# Altium PCB Waffling60-SE.PcbDoc (part 2 of 3)
Units mm, origin at the board's own origin, x right, y up, seen from the top; angles counter-clockwise.
Board outline 284.7 x 96.45 mm, 2 copper layers (Component Side, Bottom Layer), stack 1.571 mm thick; 192 components, 133 nets, 916 pads, 201 vias.
Unrouted connection lines stored in the file: 1.
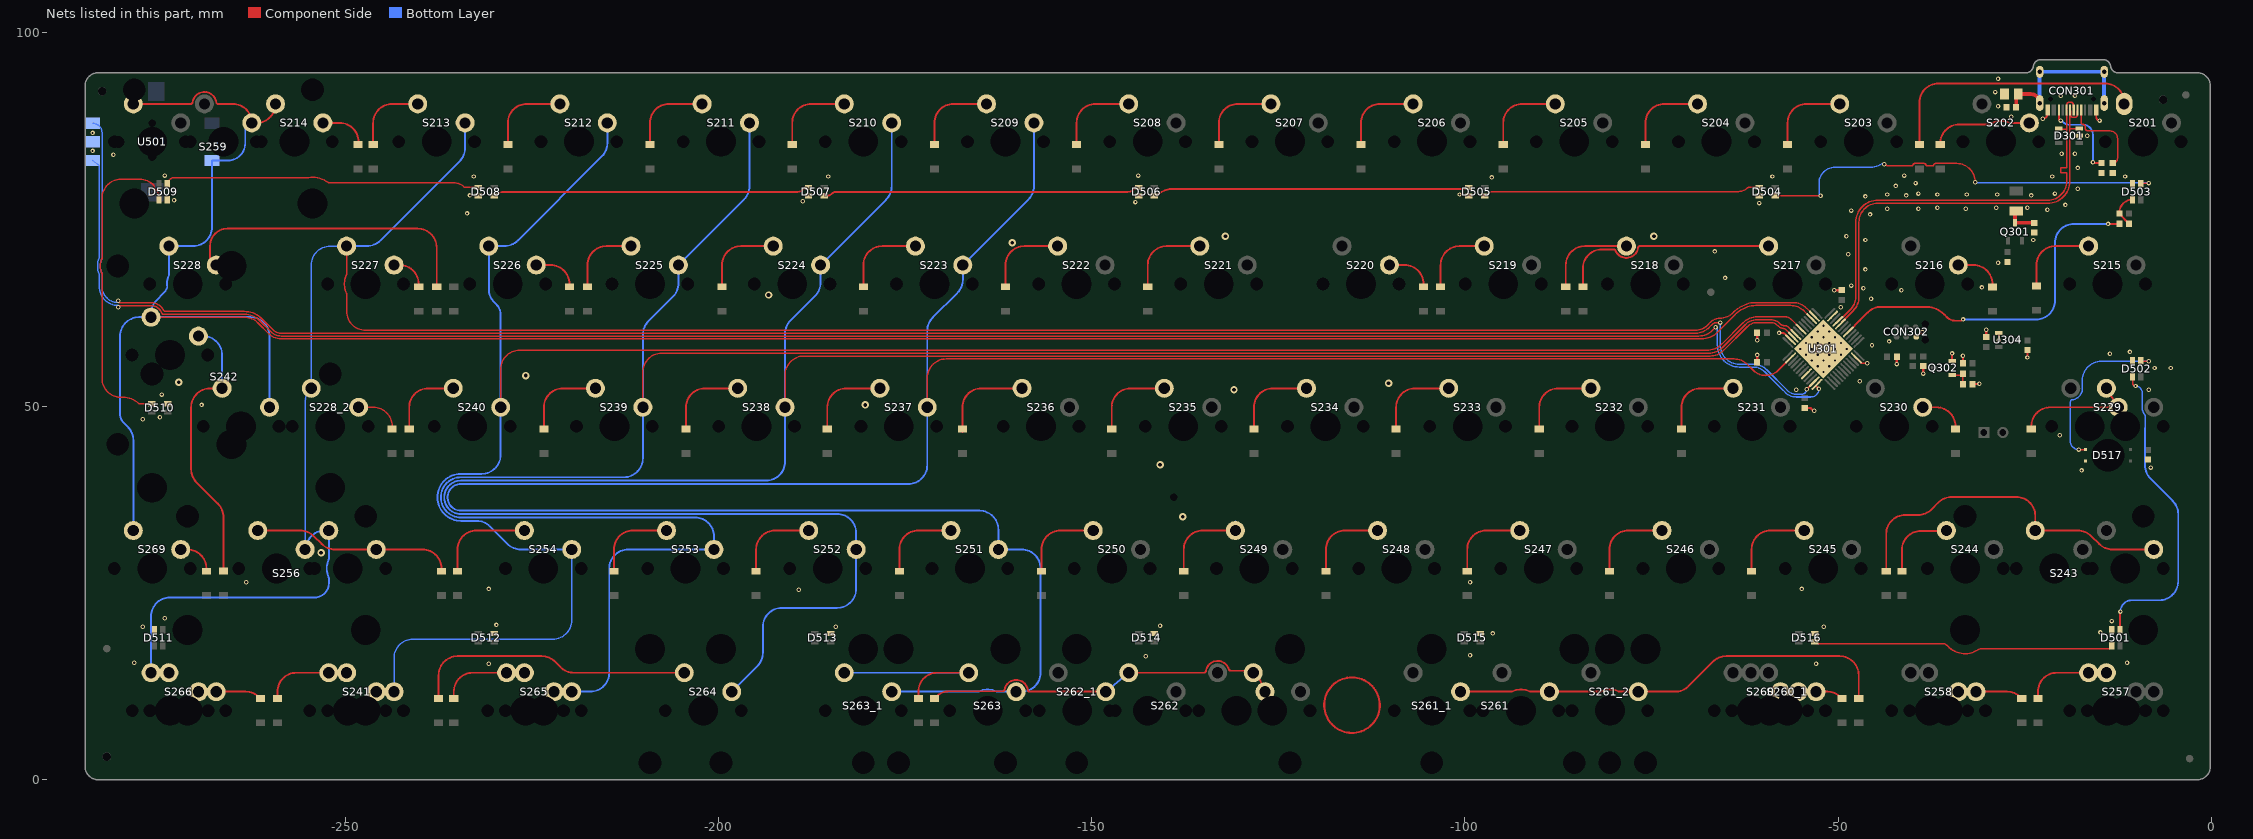
[diagram p2: the nets of this part, all layers, seen from the top]

## Via types
v1: diameter 0.6, hole 0.3, Component Side to Bottom Layer, tented both sides, 159 vias
v2: diameter 0.6, hole 0.3, Component Side to Bottom Layer, tented bottom, 25 vias
v3: diameter 1, hole 0.5, Component Side to Bottom Layer, tented both sides, 15 vias
v4: diameter 1, hole 0.6, Component Side to Bottom Layer, tented both sides, 2 vias

## Nets (pads, with @x,y where several pads share a name; then routed paths per layer and width w, separated by ;. In a path a pad name is that pad's centre, name@x,y a point inside that pad or via, vN(x,y) a via of type N, cw(c..) or ccw(c..) an arc to the next point about the centre after c; other vN are vias at no path point) (continued)
col9: S209.2 S223.2 S237.2 S251.2 S263.1 S263_1.1 U301.2 | length 365.6
  Component Side w0.203: S237.2@-172.027,49.855 -172.027,53.722 ; -169.901,56.333 ccw(c-169.361,53.722) -170.779,55.98 ccw(c-169.361,53.722) -172.027,53.722 ; -61.366,54.805 -62.15,55.589 ccw(c-63.946,53.793) -63.946,56.333 -169.487,56.333 ccw(c-169.487,53.793) -170.779,55.98 ccw(c-169.487,53.793) -172.027,53.793 -172.027,53.722 ; -61.365,54.804 ccw(c-59.696,56.475) -59.696,54.113 ccw(c-59.696,56.475) -58.027,54.804 ; -58.026,54.805 U301.2@-56.549,56.283
  Bottom Layer w0.254: S263_1.1@-176.789,11.755 -165.225,11.755 ccw(c-165.226,12.009) -165.12,11.778 cw(c-163.931,9.215) -162.741,11.778 ccw(c-162.635,12.009) -162.636,11.755 S263.1@-160.121,11.755 -159.385,11.755 ccw(c-159.385,14.295) -156.845,14.295 -156.845,28.265 ccw(c-159.385,28.265) -159.385,30.805 S251.2@-162.502,30.805 -162.502,33.464 ccw(c-165.042,33.464) -165.042,36.004 -234.5,36.004 cw(c-234.5,37.79) -234.5,39.576 -174.567,39.576 ccw(c-174.567,42.116) -172.027,42.116 S237.2@-172.027,49.855 -172.027,60.092 cw(c-169.487,60.092) -171.284,61.888 -168.009,65.163 ccw(c-169.805,66.959) -167.265,66.959 S223.2@-167.265,68.905 -158.484,77.686 ccw(c-160.28,79.482) -157.74,79.482 S209.2@-157.74,87.955
col10: S210.2 S224.2 S238.2 S252.2 S264.2 U301.46 | length 334.4
  Component Side w0.203: S238.2@-191.077,49.855 -191.077,54.176 cw(c-188.537,54.176) -188.537,56.716 -67.162,56.716 ccw(c-67.162,59.256) -65.366,57.46 -62.188,60.637 ; -62.188,60.638 cw(c-60.833,59.282) -60.833,61.199 -59.051,61.199 cw(c-59.051,59.867) -58.109,60.809 cw(c-59.051,59.867) -58.105,60.805 ccw(c-57.169,61.747) -57.852,60.608 cw(c-57.957,60.434) -57.839,60.599 ccw(c-57.277,61.383) -57.517,60.449 cw(c-57.569,60.252) -57.452,60.419 cw(c-57.452,59.773) -56.996,60.23 U301.46@-56.195,59.429
  Bottom Layer w0.254: S264.2@-197.231,11.755 S264.2@-198.221,11.755 -194.8,15.176 ccw(c-196.596,16.972) -194.056,16.972 -194.056,20.447 cw(c-191.516,20.447) -191.516,22.987 -184.092,22.987 ccw(c-184.092,25.527) -181.552,25.527 S252.2@-181.552,30.805 -181.552,33.01 ccw(c-184.092,33.01) -184.092,35.55 -234.5,35.55 cw(c-234.5,37.79) -234.5,40.03 -193.617,40.03 ccw(c-193.617,42.57) -191.077,42.57 S238.2@-191.077,49.855 -191.077,59.711 cw(c-188.537,59.711) -190.334,61.507 -187.059,64.782 ccw(c-188.855,66.578) -186.315,66.578 S224.2@-186.315,68.905 -177.534,77.686 ccw(c-179.33,79.482) -176.79,79.482 S210.2@-176.79,87.955
col11: S211.2 S225.2 S239.2 S253.2 S265.1 U301.45 | length 320.5
  Component Side w0.203: S239.2@-210.127,49.855 -210.127,54.559 cw(c-207.587,54.559) -209.827,55.758 cw(c-207.587,54.559) -207.587,57.099 -187.325,57.099 -69.342,57.099 -67.32,57.099 ccw(c-67.32,59.639) -65.524,57.843 -62.461,60.907 cw(c-60.833,59.282) -62.457,60.91 cw(c-60.833,59.282) -60.833,61.582 -59.051,61.582 cw(c-59.051,59.867) -57.839,61.081 cw(c-59.051,59.867) -57.837,61.079 ccw(c-57.169,61.747) -57.644,60.93 cw(c-57.746,60.754) -57.625,60.917 ccw(c-57.277,61.383) -57.277,60.802 ccw(c-57.277,61.383) -57.24,60.803 cw(c-57.228,60.6) -57.218,60.803 ccw(c-57.169,61.747) -57.169,60.802 cw(c-57.169,60.058) -56.643,60.584 U301.45@-55.841,59.783
  Bottom Layer w0.254: S265.1@-219.652,11.755 -217.17,11.755 ccw(c-217.17,14.295) -214.63,14.295 -214.63,28.265 cw(c-212.09,28.265) -212.09,30.805 S253.2@-200.602,30.805 -200.602,32.556 ccw(c-203.142,32.556) -203.142,35.096 -234.5,35.096 cw(c-234.5,37.79) -234.5,40.484 -212.667,40.484 ccw(c-212.667,43.024) -210.127,43.024 S239.2@-210.127,49.855 -210.127,59.584 cw(c-207.587,59.584) -209.384,61.38 -206.109,64.655 ccw(c-207.905,66.451) -205.365,66.451 S225.2@-205.365,68.905 -196.584,77.686 ccw(c-198.38,79.482) -195.84,79.482 S211.2@-195.84,87.955
col12: S212.2 S226.2 S240.2 S241.1 S254.2 U301.43 | length 309.4
  Component Side w0.203: S240.2@-229.177,49.855 -229.177,54.942 cw(c-226.637,54.942) -228.503,56.666 cw(c-226.637,54.942) -226.637,57.482 -188.087,57.482 -69.596,57.482 -67.638,57.482 ccw(c-67.638,60.406) -65.572,58.337 ccw(c-67.638,60.406) -65.57,58.34 -62.733,61.177 cw(c-60.833,59.282) -62.727,61.182 cw(c-60.833,59.282) -60.833,61.965 -57.118,61.965 cw(c-57.118,60.738) -56.25,61.606 U301.43@-55.134,60.49
  Bottom Layer w0.203: S241.1@-243.464,11.755 -243.464,16.256 cw(c-240.924,16.256) -240.924,18.796 -222.192,18.796 ccw(c-222.192,21.336) -219.652,21.336 S254.2@-219.652,30.805
  Bottom Layer w0.254: S254.2@-219.652,30.805 -226.476,30.805 cw(c-226.476,33.345) -228.272,31.549 -230.621,33.898 ccw(c-232.417,32.102) -232.417,34.642 -234.5,34.642 cw(c-234.5,37.79) -234.5,40.938 -231.717,40.938 ccw(c-231.717,43.478) -229.177,43.478 S240.2@-229.177,49.855 -229.177,62.262 ccw(c-231.108,62.262) -229.743,63.627 -230.021,63.905 cw(c-228.225,65.701) -230.765,65.701 S226.2@-230.765,71.445 -228.692,71.445 ccw(c-228.692,73.985) -226.896,72.189 -215.634,83.451 ccw(c-217.43,85.247) -214.89,85.247 S212.2@-214.89,87.955
col13: S213.2 S227.2 S228_2.2 S256.2 S266.2 U301.38 | length 324.4
  Component Side w0.203: S227.2@-249.815,71.445 -249.815,67.674 cw(c-250.018,67.675) -249.834,67.588 ccw(c-247.275,66.365) -250.049,66.956 ccw(c-247.275,66.365) -250.049,65.774 ccw(c-247.275,66.365) -249.829,65.13 cw(c-250.012,65.043) -249.809,65.044 -249.809,62.705 ccw(c-247.269,62.705) -247.269,60.165 -69.121,60.165 ccw(c-69.121,62.39) -67.548,60.816 -67.103,61.261 cw(c-65.847,60.005) -65.847,61.782 ccw(c-65.847,64.25) -64.263,62.357 ccw(c-64.395,62.512) -64.252,62.367 -64.076,62.543 ; -63.875,62.731 ccw(c-60.833,59.282) -64.076,62.543 ; U301.38@-53.367,62.258 -54.246,63.137 ccw(c-56.042,61.341) -56.042,63.881 -61.057,63.881 ccw(c-61.057,60.191) -62.864,63.409 cw(c-62.962,63.586) -62.871,63.405 ccw(c-60.833,59.282) -64.076,62.543
  Component Side w0.254: S227.2@-249.815,71.445 cw(c-249.815,71.058) S227.2@-249.428,71.058
  Bottom Layer w0.203: S256.2@-255.37,30.805 -255.37,50.525 cw(c-252.83,50.525) -254.626,52.321 S228_2.2@-254.552,52.395 -254.552,68.905 cw(c-252.012,68.905) -252.012,71.445 S227.2@-249.815,71.445
  Bottom Layer w0.254: S266.2@-276.008,14.295 -276.008,21.844 cw(c-273.468,21.844) -273.468,24.384 -254.1,24.384 ccw(c-254.1,26.289) -252.195,26.289 -252.195,26.968 ccw(c-252.449,26.969) -252.219,27.076 cw(c-249.655,28.265) -252.219,29.454 ccw(c-252.449,29.561) -252.195,29.562 S256.2@-252.195,33.345 -252.73,33.345 ccw(c-252.73,30.805) S256.2@-255.27,30.805 ; S227.2@-249.815,71.445 -247.107,71.445 ccw(c-247.107,73.985) -245.311,72.189 -234.684,82.816 ccw(c-236.48,84.612) -233.94,84.612 S213.2@-233.94,87.955
col14: S214.2 S228.2 S242.2 S259.2 S269.2 U301.39 U501.1 | length 343.6
  Component Side w0.203: S242.2@-276.02,61.925 -274.329,61.925 ; -274.225,61.954 cw(c-274.33,62.128) -274.329,61.925 ; U301.39@-53.72,61.904 -54.57,62.754 ccw(c-56.366,60.958) -56.366,63.498 -61.057,63.498 ccw(c-61.057,60.191) -62.685,63.07 cw(c-62.783,63.247) -62.693,63.065 ccw(c-60.833,59.282) -63.808,62.269 ccw(c-60.833,59.282) -63.82,62.257 -66.205,59.873 cw(c-68.273,61.938) -66.207,59.87 cw(c-68.273,61.938) -68.273,59.015 -258.594,59.015 cw(c-258.594,61.319) -260.223,59.69 -261.714,61.181 ccw(c-263.51,59.385) -263.51,61.925 -274.329,61.925
  Component Side w0.254: S259.2@-278.39,90.495 -272.542,90.495 -270.698,90.495 ccw(c-270.698,90.749) -270.447,90.714 cw(c-268.865,90.495) -270.403,90.924 cw(c-268.865,90.495) -268.362,92.011 cw(c-268.865,90.495) -268.36,92.01 cw(c-268.865,90.495) -267.283,90.714 ccw(c-267.032,90.749) -267.032,90.495 -265.055,90.495 cw(c-265.055,87.955) S259.2@-262.515,87.955 -261.88,87.955 ccw(c-261.88,90.495) S214.2@-259.34,90.495
  Bottom Layer w0.254: S269.2@-278.39,33.345 -278.39,45.436 ccw(c-280.93,45.436) -279.134,47.232 -279.654,47.752 cw(c-278.428,48.978) -280.162,48.978 -280.162,59.385 cw(c-277.622,59.385) -277.622,61.925 S242.2@-276.02,61.925 ; S259.2@-262.515,87.955 ccw(c-262.515,87.072) -263.398,87.072 -263.398,85.217 cw(c-265.7,85.217) -265.7,82.915 U501.1@-267.85,82.915 -267.85,73.985 cw(c-270.39,73.985) -270.39,71.445 S228.2@-273.627,71.445 -273.627,67.576 cw(c-273.881,67.578) -273.648,67.478 ccw(c-271.087,66.365) -273.849,65.956 cw(c-274.101,65.919) -273.871,65.811 cw(c-276.167,66.896) -274.371,65.1 -275.276,64.195 ccw(c-273.48,62.399) -276.02,62.399 S242.2@-276.02,61.925 ; S242.2@-260.14,49.855 -260.14,59.385 ccw(c-262.68,59.385) -262.68,61.925 S242.2@-276.02,61.925
D_N: CON301.A7 CON301.B7 D301.3 U301.32 | length 60.3
  Component Side w0.2: U301.32@-49.513,61.197 -49.513,61.224 -49.056,61.68 -49.056,61.722 -47.989,62.789 ccw(c-49.842,64.641) -47.987,62.791 ccw(c-49.842,64.641) -47.222,64.641 -47.222,74.654 cw(c-44.682,74.654) -44.682,77.194 -21.917,77.194 ccw(c-21.917,80.137) -18.973,80.137 -18.973,87.122 ; CON301.A7@-18.857,89.573 -18.875,89.573 CON301.A7@-18.925,89.695 ; -17.972,88.932 ccw(c-17.829,88.792) -18.015,88.867 ; CON301.B7@-17.925,89.695 -17.975,89.572 -17.993,89.572 ccw(c-17.795,89.543) -17.995,89.543 -17.995,88.97 cw(c-18.275,88.97) -18.015,88.867 ; D301.3@-17.675,87.183 -18.912,87.183 ccw(c-18.912,87.122) -18.973,87.122 ; -18.973,87.122 -18.973,89.647 cw(c-18.925,89.647) CON301.A7@-18.925,89.695 ; CON301.A7@-18.925,89.695 -18.875,89.572 CON301.A7@-18.857,89.572 ; CON301.A7@-18.857,89.572 cw(c-19.055,89.543) CON301.A7@-18.855,89.543 ; CON301.A7@-18.857,89.572 cw(c-19.055,89.543) CON301.A7@-18.855,89.543 ; CON301.A7@-18.855,88.97 ccw(c-18.575,88.97) -18.575,88.69 ; CON301.A7@-18.855,88.97 ccw(c-18.575,88.97) -18.575,88.69 ; CON301.A7@-18.855,88.97 CON301.A7@-18.855,89.543 ; -18.575,88.69 -18.275,88.69 ; -18.275,88.69 ccw(c-18.275,88.97) -18.015,88.867 ; -18.275,88.69 ccw(c-18.275,88.97) -18.015,88.867
D_P: CON301.A6 CON301.B6 D301.4 U301.33 | length 60.3
  Component Side w0.2: U301.33@-49.866,61.55 -49.839,61.55 -49.383,62.007 -49.341,62.007 -48.275,63.073 ; -48.274,63.074 ccw(c-49.846,64.643) -47.625,64.643 -47.625,74.654 cw(c-44.682,74.654) -44.682,77.597 -21.917,77.597 ccw(c-21.917,80.137) -19.377,80.137 -19.377,81.153 -19.377,81.253 -20.187,81.253 -20.187,81.961 -19.377,81.961 -19.377,83.185 -19.377,87.122 ; D301.4@-20.425,87.183 ccw(c-20.364,87.183) -20.364,87.122 -19.377,87.122 ; CON301.A6@-18.425,89.695 -18.475,90.17 -18.477,90.17 cw(c-18.295,90.253) -18.495,90.253 -18.495,90.42 ccw(c-18.775,90.42) -18.775,90.7 -19.075,90.7 ccw(c-19.075,90.42) -19.355,90.42 -19.355,89.846 cw(c-19.555,89.847) -19.357,89.818 -19.375,89.818 CON301.B6@-19.425,89.695 cw(c-19.425,89.647) -19.377,89.647 -19.377,87.122
ENC_A: U301.12 U501.A | length 258.5
  Component Side w0.203: v1(-280.416,63.246) cw(c-280.191,63.246) -280.191,63.471 -276.148,63.471 cw(c-276.02,61.925) -274.769,62.843 ; -275.478,63.379 cw(c-276.02,61.925) -274.769,62.843 ; v1(-66.421,60.579) -66.858,60.142 cw(c-68.654,61.938) -68.654,59.398 -258.594,59.398 cw(c-258.594,61.319) -259.953,59.962 -261.442,61.451 ccw(c-263.51,59.385) -263.51,62.308 -274.044,62.308 cw(c-274.043,62.511) -274.105,62.318 ccw(c-274.225,61.954) -274.321,62.325 cw(c-274.37,62.522) -274.561,62.452 ccw(c-276.02,61.925) -274.769,62.843 ; U301.12@-53.001,52.747 U301.12@-53.013,52.747 -52.59,52.324 v1(-52.578,52.324)
  Bottom Layer w0.203: U501.A@-283.85,82.915 -282.99,82.267 cw(c-283.85,82.021) -282.964,82.139 cw(c-283.165,82.113) -282.963,82.098 ccw(c-282.378,82.055) -282.964,82.054 -282.964,79.375 -282.964,69.894 cw(c-283.167,69.895) -282.979,69.819 ccw(c-280.471,68.783) -282.979,67.747 cw(c-283.167,67.671) -282.964,67.672 -282.964,66.046 ccw(c-280.416,66.046) v1@-280.416,63.498 ; v1@-66.169,60.45 -66.169,58.166 ccw(c-63.246,58.166) -63.246,55.243 -61.377,55.243 cw(c-61.377,53.086) -60.997,55.209 cw(c-61.034,55.009) -60.99,55.208 -60.929,55.194 ccw(c-60.885,55.392) -60.921,55.192 -60.89,55.187 cw(c-60.926,54.987) -60.881,55.185 cw(c-61.377,53.086) -59.849,54.608 -58.716,53.475 ; -58.715,53.474 -57.581,52.34 -57.071,51.83 ccw(c-55.626,53.277) -55.626,51.232 -53.67,51.232 ccw(c-53.67,52.324) v1(-52.578,52.324)
ENC_B: U301.11 U501.B | length 263
  Component Side w0.203: v1(-280.416,64.135) ccw(c-280.135,64.135) -280.135,63.854 -276.17,63.854 ccw(c-276.171,64.058) -276.157,63.855 cw(c-276.02,61.925) -274.575,63.212 ; -275.664,63.827 cw(c-276.02,61.925) -274.575,63.212 ; v1(-65.786,61.2) -66.326,61.2 ccw(c-66.326,60.484) -66.832,60.99 -67.297,60.526 cw(c-69.093,62.322) -69.093,59.782 -258.594,59.782 cw(c-258.594,61.319) -259.683,60.234 -261.171,61.722 ccw(c-263.51,59.385) -263.51,62.691 -273.991,62.691 cw(c-273.99,62.895) -274.038,62.697 ccw(c-274.225,61.954) -274.149,62.717 cw(c-274.127,62.919) -274.306,62.823 ccw(c-276.02,61.925) -274.575,63.212 ; v1@-54.356,52.197 ccw(c-54.356,52.405) v1(-54.209,52.258) U301.11@-53.367,53.101
  Bottom Layer w0.203: U501.B@-283.85,87.915 cw(c-283.85,86.64) -282.575,86.64 -282.575,86.244 ccw(c-282.372,86.245) -282.572,86.212 cw(c-282.85,86.165) -282.568,86.165 -282.568,84.665 cw(c-282.85,84.665) -282.572,84.618 ccw(c-282.372,84.585) -282.575,84.586 -282.575,83.744 -282.579,83.742 cw(c-282.85,83.665) -282.572,83.712 cw(c-282.85,83.665) -282.568,83.665 -282.568,82.165 cw(c-282.85,82.165) -282.576,82.1 ccw(c-282.378,82.055) -282.581,82.056 -282.581,69.818 ; -282.599,67.832 cw(c-280.471,68.783) -282.599,69.734 ; -282.581,67.748 -282.581,66.046 ccw(c-280.416,66.046) v1@-280.416,63.881 ; v1@-65.786,61.087 -65.786,58.166 ccw(c-63.246,58.166) -63.246,55.626 -61.377,55.626 cw(c-61.377,53.086) -59.581,54.882 -56.801,52.102 ccw(c-55.626,53.277) -55.626,51.615 -54.852,51.615 ccw(c-54.852,52.258) v1(-54.209,52.258)
GND: C301.1 C302.1 C303.1 C304.1 C305.1 C306.1 C307.1 C308.1 C310.2 C312.1 C517.1 CON301.A1B12 CON301.B1A12 CON302.5 D301.2 D501.3 D502.3 D503.3 D504.3 D505.3 D506.3 D507.3 D508.3 D509.3 D510.3 D511.3 D512.3 D513.3 D514.3 D515.3 D516.3 D517.3 L301.1 Q302.2 R301.2 R302.2 R304.2 R305.2 R309.2 U301.8 U301.23 U301.35 U301.47 U304.1 U501.C | length 48.7
  Component Side w0.254: v1(-57.912,59.817) -57.479,59.817 cw(c-57.479,59.361) -57.157,59.683 U301.47@-56.549,59.076 ; U301.23@-47.391,56.283 -47.379,56.282 -46.85,55.753 v1(-46.101,55.753) ; CON302.5@-39.544,59.309 v1(-38.735,59.944) ; v1(-22.606,88.519) ccw(c-22.606,89.2) -21.925,89.2 CON301.B1A12@-21.925,89.695 ; CON301.A1B12@-15.425,89.695 -15.425,88.704 ccw(c-15.172,88.722) -15.401,88.614 cw(c-16.129,88.265) -15.355,88.495 ccw(c-15.112,88.569) -15.288,88.385 ccw(c-14.986,88.704) v1(-14.986,88.265)
  Component Side w0.279: -111.412,10.074 cw(c-115.129,9.951) -111.412,10.088
  Component Side w0.3: C305.1@-60.848,55.88 v1@-60.848,56.881 ; v1@-60.848,58.816 C304.1@-60.848,59.817 ; C302.1@-54.483,49.769 -53.708,49.769 -53.399,49.46 -53.27,49.46 v1(-53.213,49.403) ; v1@-50.531,65.547 C303.1@-49.53,65.547 ; v1@-42.149,55.641 C301.1@-42.149,56.642 ; v1@-38.608,54.356 C310.2@-38.608,55.357 ; Q302.2@-34.741,56.068 v1@-34.741,57.069 ; R304.2@-33.289,55.753 v1@-33.289,56.754 ; R305.2@-31.989,52.959 -31.968,52.98 -31.096,52.98 v1(-31.075,53.002) ; C308.1@-30.169,59.239 v1@-30.169,60.24 ; v1@-28.463,58.82 U304.1@-28.463,59.821 ; v1@-24.638,56.515 C307.1@-24.638,57.516
  Bottom Layer w0.254: v2(-52.748,60.012) v2(-51.97,59.235) ; v2(-51.97,60.79) v2(-51.192,60.012) v2(-50.414,59.235) v2(-49.637,58.457) v2(-48.859,57.679)
  other v1: -230.759,15.494 -52.959,15.494 -278.257,15.621 -11.303,15.621 -142.748,16.51 -99.314,16.637 -96.266,19.558 -14.859,19.685 -277.114,20.447 -184.277,20.447 -51.943,20.447 -140.843,20.574 -229.743,20.701 -13.335,21.209 -274.193,21.59 -189.23,25.4 -230.759,25.527 -54.864,25.527 -263.271,26.416 -99.314,26.416 -17.399,41.402 -8.128,41.783 -20.32,46.101 -277.114,48.26 -274.828,48.514 -269.24,50.165 -274.574,51.562 -55.626,52.197 -8.382,52.197 -47.117,53.34 -38.608,54.364 -7.62,55.118 -5.461,55.118 -42.149,55.649 -24.638,56.523 -33.289,56.746 -60.848,56.873 -13.589,57.023 -34.741,57.061 -10.922,57.277 -45.466,58.166 -43.18,58.674 -60.848,58.824 -28.463,58.828 -30.169,60.232 -49.657,63.246 -45.593,64.389 -41.529,65.532 -50.523,65.547 -46.609,65.786 -30.734,65.913 -48.26,66.167 -65.151,67.183 -46.355,68.326 -28.575,69.215 -48.641,70.358 -66.548,70.739 -46.355,72.263 -23.876,72.263 -48.895,72.771 -45.72,75.692 -233.68,75.819 -48.26,76.2 -21.971,76.327 -43.434,76.454 -39.243,76.454 -32.893,76.454 -36.703,76.581 -28.829,76.581 -24.638,76.581 -19.558,76.962 -60.579,77.216 -144.145,77.343 -188.722,77.47 -272.923,77.597 -46.355,78.105 -233.299,78.232 -40.894,78.232 -24.13,78.232 -100.711,78.359 -43.434,78.359 -36.703,78.359 -32.766,78.359 -28.702,78.359 -39.243,78.486 -20.955,78.486 -17.907,79.121 -42.291,79.502 -39.624,79.883 -96.393,80.645 -232.791,80.772 -185.293,80.772 -58.801,80.772 -21.336,80.772 -11.557,80.772 -274.193,80.899 -143.764,80.899 -41.148,80.899 -17.907,81.915 -281.051,83.693 -20.066,83.82 -18.288,83.82 -283.845,84.201 -16.637,86.233 -283.845,86.614 -26.797,88.773 -28.575,90.17 -20.193,91.567 -18.288,91.567 -28.956,92.075 -28.575,93.853
  other v2: -51.97,54.568 -52.748,55.345 -51.192,55.345 -53.526,56.123 -51.97,56.123 -50.414,56.123 -54.303,56.901 -52.748,56.901 -51.192,56.901 -49.637,56.901 -55.081,57.679 -53.526,57.679 -51.97,57.679 -50.414,57.679 -54.303,58.457 -52.748,58.457 -51.192,58.457 -53.526,59.235
  other v3: -253.238,30.353 -137.795,35.179 -140.843,42.164 -180.34,50.165 -130.937,52.197 -110.236,53.086 -272.288,53.213 -225.806,54.102 -193.294,64.897 -160.655,71.882 -132.08,72.771 -74.676,72.771
LED: R307.2 U301.29 | length 48.6
  Component Side w0.254: U301.29@-48.452,60.136 -47.094,61.494 -46.018,62.57 cw(c-44.222,60.774) -44.222,63.314 -38.221,63.314 cw(c-38.221,61.347) -38.043,63.306 ccw(c-38.021,63.559) -38.04,63.306 cw(c-38.28,59.834) -35.821,62.297 cw(c-38.28,59.834) -35.818,62.293 -35.474,61.949 ccw(c-34.255,63.169) -35.472,61.948 ccw(c-34.255,63.169) -34.255,61.445 -33.541,61.445 -33.368,61.618 v1(-33.274,61.618) ; v1(-13.843,74.422) R307.2@-12.334,74.422
  Bottom Layer w0.254: v1(-33.274,61.618) -23.495,61.618 ccw(c-23.495,64.158) -20.955,64.158 -20.955,71.882 cw(c-18.415,71.882) -18.415,74.422 v1(-13.843,74.422)
NetC306_2: C306.2 F301.1 Q301.3 | length 4.2
  Component Side w0.5: Q301.3@-26.304,74.553 Q301.3@-26.304,74.564 ; F301.1@-26.162,76.12 ccw(c-26.162,75.978) -26.304,75.978 Q301.3@-26.304,74.564 ; C306.2@-23.749,74.564 Q301.3@-26.304,74.564
NetC309_2: C309.2 Q302.1 R305.1 | length 3
  Component Side w0.203: Q302.1@-34.741,54.168 -33.477,54.168 ccw(c-33.477,54.356) C309.2@-33.289,54.356 R305.1@-33.289,52.959
NetC312_2: C312.2 CON301.S1 L301.2 | length 22.5
  Component Side w0.5: C312.2@-26.147,90.043 -26.147,91.551 cw(c-25.877,91.551) L301.2@-25.877,91.821 -24.206,91.821 cw(c-24.206,90.61) CON301.S1@-22.995,90.61
  Bottom Layer w0.5: CON301.S1@-23.036,90.621 -23.036,94.801 -14.396,94.801 CON301.S1@-14.396,90.621
NetCON301_A5: CON301.A5 R301.1 | length 11.5
  Component Side w0.203: CON301.A5@-17.425,89.695 -17.425,87.943 ccw(c-17.222,87.943) -17.222,87.74 -17.175,87.74 cw(c-17.175,87.458) -16.893,87.458 -16.893,87.249 ccw(c-16.512,87.249) -16.512,86.868 -13.589,86.868 cw(c-13.589,85.852) -12.573,85.852 -12.573,83.2 cw(c-13.208,83.2) R301.1@-13.208,82.565
NetCON301_B5: CON301.B5 R302.1 | length 11.7
  Component Side w0.254: CON301.B5@-20.425,89.695 -20.425,88.497 ccw(c-20.193,88.497) v1(-20.193,88.265) ; v1(-15.875,82.677) -15.781,82.677 -15.669,82.565 R302.1@-14.732,82.565
  Bottom Layer w0.254: v1(-20.193,88.265) -20.141,88.265 cw(c-20.142,88.011) -19.934,88.158 ccw(c-19.069,88.765) -19.071,87.708 -18.034,87.708 -17.223,87.708 cw(c-17.223,86.36) -15.875,86.36 v1(-15.875,82.677)
NetD201_1: D201.1 S201.1 | length 36.1
  Component Side w0.254: D201.1@-39.116,85.05 -39.116,86.995 -39.116,90.678 cw(c-36.576,90.678) -36.576,93.218 -14.23,93.218 cw(c-14.23,90.678) -11.69,90.678 S201.1@-11.69,90.495
NetD202_1: D202.1 S202.1 | length 15.4
  Component Side w0.254: D202.1@-36.322,85.05 -36.322,85.217 cw(c-33.782,85.217) -33.782,87.757 -29.78,87.757 ccw(c-29.782,88.011) -29.65,87.794 ; -28.033,88.196 ccw(c-28.2,85.415) -29.65,87.794 ; S202.1@-24.39,87.955 -27.004,87.955 cw(c-27.003,88.209) -27.102,87.975 ccw(c-28.2,85.415) -29.65,87.794
NetD203_1: D203.1 S203.1 | length 11.3
  Component Side w0.254: D203.1@-56.769,85.05 -56.769,87.955 cw(c-54.229,87.955) -54.229,90.495 S203.1@-49.79,90.495
NetD204_1: D204.1 S204.1 | length 11.3
  Component Side w0.254: D204.1@-75.819,85.05 -75.819,87.955 cw(c-73.279,87.955) -73.279,90.495 S204.1@-68.84,90.495
NetD205_1: D205.1 S205.1 | length 11.3
  Component Side w0.254: D205.1@-94.869,85.05 -94.869,87.955 cw(c-92.329,87.955) -92.329,90.495 S205.1@-87.89,90.495
NetD206_1: D206.1 S206.1 | length 11.3
  Component Side w0.254: D206.1@-113.919,85.05 -113.919,87.955 cw(c-111.379,87.955) -111.379,90.495 S206.1@-106.94,90.495
NetD207_1: D207.1 S207.1 | length 11.3
  Component Side w0.254: D207.1@-132.969,85.05 -132.969,87.955 cw(c-130.429,87.955) -130.429,90.495 S207.1@-125.99,90.495
NetD208_1: D208.1 S208.1 | length 11.3
  Component Side w0.254: D208.1@-152.019,85.05 -152.019,87.955 cw(c-149.479,87.955) -149.479,90.495 S208.1@-145.04,90.495
NetD209_1: D209.1 S209.1 | length 11.3
  Component Side w0.254: D209.1@-171.069,85.05 -171.069,87.955 cw(c-168.529,87.955) -168.529,90.495 S209.1@-164.09,90.495
NetD210_1: D210.1 S210.1 | length 11.3
  Component Side w0.254: D210.1@-190.119,85.05 -190.119,87.955 cw(c-187.579,87.955) -187.579,90.495 S210.1@-183.14,90.495
NetD211_1: D211.1 S211.1 | length 11.3
  Component Side w0.254: D211.1@-209.169,85.05 -209.169,87.955 cw(c-206.629,87.955) -206.629,90.495 S211.1@-202.19,90.495
NetD212_1: D212.1 S212.1 | length 11.3
  Component Side w0.254: D212.1@-228.219,85.05 -228.219,87.955 cw(c-225.679,87.955) -225.679,90.495 S212.1@-221.24,90.495
NetD213_1: D213.1 S213.1 | length 10.3
  Component Side w0.254: D213.1@-246.253,85.05 -246.253,87.955 cw(c-243.713,87.955) -243.713,90.495 S213.1@-240.29,90.495
NetD214_1: D214.1 S214.1 | length 6.6
  Component Side w0.254: S214.1@-252.99,87.955 -250.759,87.955 cw(c-250.759,85.415) -248.219,85.415 D214.1@-248.219,85.05
NetD215_1: D215.1 S215.1 | length 12.2
  Component Side w0.254: D215.1@-23.431,66 -23.431,68.905 cw(c-20.892,68.905) -20.892,71.445 S215.1@-16.452,71.445 ccw(c-16.452,70.88) S215.1@-17.018,70.88
NetD216_1: D216.1 S216.1 | length 6.4
  Component Side w0.254: S216.1@-33.915,68.905 -31.877,68.905 cw(c-31.877,66.365) -29.337,66.365 D216.1@-29.337,66
NetD217_1: D217.1 S217.1 | length 31
  Component Side w0.254: D217.1@-84.201,66 -84.201,68.471 cw(c-81.661,68.471) -81.661,71.011 -80.061,71.011 cw(c-80.062,70.757) -79.827,70.853 ; -79.279,70.16 cw(c-78.365,71.445) -79.827,70.853 ; S217.1@-59.315,71.445 -76.553,71.445 ccw(c-76.552,71.191) -76.803,71.227 cw(c-78.365,71.445) -79.827,70.853
NetD218_1: D218.1 S218.1 | length 12.5
  Component Side w0.254: D218.1@-86.487,66 -86.487,68.905 cw(c-83.947,68.905) -83.947,71.445 S218.1@-78.365,71.445
NetD219_1: D219.1 S219.1 | length 10.2
  Component Side w0.254: D219.1@-103.251,66 -103.251,68.905 cw(c-100.711,68.905) -100.711,71.445 S219.1@-97.415,71.445
NetD220_1: D220.1 S220.1 | length 6.4
  Component Side w0.254: S220.1@-110.115,68.905 -108.077,68.905 cw(c-108.077,66.365) -105.537,66.365 D220.1@-105.537,66
NetD221_1: D221.1 S221.1 | length 11.3
  Component Side w0.254: D221.1@-142.494,66 -142.494,68.905 cw(c-139.954,68.905) -139.954,71.445 S221.1@-135.515,71.445
NetD222_1: D222.1 S222.1 | length 11.3
  Component Side w0.254: D222.1@-161.544,66 -161.544,68.905 cw(c-159.004,68.905) -159.004,71.445 S222.1@-154.565,71.445
NetD223_1: D223.1 S223.1 | length 11.3
  Component Side w0.254: D223.1@-180.594,66 -180.594,68.905 cw(c-178.054,68.905) -178.054,71.445 S223.1@-173.615,71.445
NetD224_1: D224.1 S224.1 | length 11.2
  Component Side w0.254: D224.1@-199.517,66 -199.517,68.905 cw(c-196.977,68.905) -196.977,71.445 S224.1@-192.665,71.445
NetD225_1: D225.1 S225.1 | length 10.2
  Component Side w0.254: D225.1@-217.551,66 -217.551,68.905 cw(c-215.011,68.905) -215.011,71.445 S225.1@-211.715,71.445
NetD226_1: D226.1 S226.1 | length 6.3
  Component Side w0.254: S226.1@-224.415,68.905 -222.504,68.905 cw(c-222.504,66.365) -219.964,66.365 D226.1@-219.964,66
NetD227_1: D227.1 S227.1 | length 5
  Component Side w0.254: S227.1@-243.465,68.905 -242.697,68.905 cw(c-242.697,66.365) -240.157,66.365 D227.1@-240.157,66.151
NetD228_1: D228.1 S228.1 | length 41.4
  Component Side w0.254: S228.1@-267.277,68.905 cw(c-267.277,69.725) -268.097,69.725 -268.097,71.501 cw(c-265.811,71.501) -265.811,73.787 -240.284,73.787 cw(c-240.284,71.247) -237.744,71.247 D228.1@-237.744,66
NetD228_2_1: D228_2.1 S228_2.1 | length 6.3
  Component Side w0.203: S228_2.1@-248.202,49.855 -246.253,49.855 cw(c-246.253,47.315) -243.713,47.315 D228_2.1@-243.713,46.95
NetD229_1: D229.1 S229.2 | length 16.5
  Component Side w0.254: D229.1@-24.13,46.95 -24.13,47.315 cw(c-21.59,47.315) -21.59,49.855 S229.2@-12.484,49.855 S229.2@-14.071,52.395
NetD230_1: D230.1 S230.1 | length 6.2
  Component Side w0.254: S230.1@-38.677,49.855 -36.83,49.855 cw(c-36.83,47.315) -34.29,47.315 D230.1@-34.29,46.95
NetD231_1: D231.1 S231.1 | length 11.3
  Component Side w0.254: D231.1@-70.993,46.95 -70.993,49.855 cw(c-68.453,49.855) -68.453,52.395 S231.1@-64.077,52.395
NetD232_1: D232.1 S232.1 | length 11.3
  Component Side w0.254: D232.1@-90.043,46.95 -90.043,49.855 cw(c-87.503,49.855) -87.503,52.395 S232.1@-83.127,52.395
NetD233_1: D233.1 S233.1 | length 11.4
  Component Side w0.254: D233.1@-109.22,46.95 -109.22,49.855 cw(c-106.68,49.855) -106.68,52.395 S233.1@-102.177,52.395
NetD234_1: D234.1 S234.1 | length 11.4
  Component Side w0.254: D234.1@-128.27,46.95 -128.27,49.855 cw(c-125.73,49.855) -125.73,52.395 S234.1@-121.227,52.395
NetD235_1: D235.1 S235.1 | length 11.4
  Component Side w0.254: D235.1@-147.32,46.95 -147.32,49.855 cw(c-144.78,49.855) -144.78,52.395 S235.1@-140.277,52.395
NetD236_1: D236.1 S236.1 | length 12.8
  Component Side w0.254: D236.1@-167.32,46.515 D236.1@-167.32,46.95 -167.32,49.855 cw(c-164.78,49.855) -164.78,52.395 S236.1@-159.327,52.395
NetD237_1: D237.1 S237.1 | length 11.4
  Component Side w0.254: D237.1@-185.42,46.95 -185.42,49.855 cw(c-182.88,49.855) -182.88,52.395 S237.1@-178.377,52.395
NetD238_1: D238.1 S238.1 | length 10.8
  Component Side w0.254: D238.1@-204.343,46.95 -204.343,49.855 cw(c-201.803,49.855) -201.803,52.395 S238.1@-197.881,52.395
NetD239_1: D239.1 S239.1 | length 11.3
  Component Side w0.254: D239.1@-223.393,46.95 -223.393,49.855 cw(c-220.853,49.855) -220.853,52.395 S239.1@-216.477,52.395
NetD240_1: D240.1 S240.1 | length 10.3
  Component Side w0.254: D240.1@-241.427,46.95 -241.427,49.855 cw(c-238.887,49.855) -238.887,52.395 S240.1@-235.527,52.395
NetD241_1: D241.1 S241.2 | length 9.2
  Component Side w0.254: D241.1@-259.08,10.85 -259.08,11.755 cw(c-256.54,11.755) -256.54,14.295 S241.2@-252.196,14.295
NetD242_1: D242.1 S242.1 | length 38.2
  Component Side w0.254: S242.1@-266.49,52.395 -268.097,52.395 ccw(c-268.097,49.855) -270.637,49.855 -270.637,41.565 ccw(c-268.097,41.565) -269.893,39.769 -267.063,36.939 cw(c-268.859,35.143) -266.319,35.143 D242.1@-266.319,27.924
  Bottom Layer w0.254: S242.1@-269.67,59.385 -269.03,59.385 cw(c-269.03,56.845) -266.49,56.845 S242.1@-266.49,52.395
NetD243_1: D243.1 S243.1 | length 47.3
  Component Side w0.254: D243.1@-43.561,27.9 -43.561,32.893 cw(c-41.021,32.893) -41.021,35.433 -39.279,35.433 ccw(c-39.279,37.973) -37.483,36.177 -36.558,37.102 cw(c-34.762,35.306) -34.762,37.846 -26.136,37.846 cw(c-26.136,35.306) -23.596,35.306 S243.1@-23.596,33.345 -17.887,33.345 cw(c-17.887,30.805) -16.091,32.601 -15.039,31.549 ccw(c-13.243,33.345) -13.243,30.805 S243.1@-7.721,30.805
NetD244_1: D244.1 S244.2 | length 10.3
  Component Side w0.254: D244.1@-41.468,27.9 -41.468,30.734 cw(c-38.928,30.734) -38.928,33.274 S244.2@-35.433,33.274
NetD245_1: D245.1 S245.1 | length 11.4
  Component Side w0.254: D245.1@-61.595,27.9 -61.595,30.805 cw(c-59.055,30.805) -59.055,33.345 S245.1@-54.552,33.345
NetD246_1: D246.1 S246.1 | length 11.4
  Component Side w0.254: D246.1@-80.645,27.9 -80.645,30.805 cw(c-78.105,30.805) -78.105,33.345 S246.1@-73.602,33.345
NetD247_1: D247.1 S247.1 | length 11.4
  Component Side w0.254: D247.1@-99.695,27.9 -99.695,30.805 cw(c-97.155,30.805) -97.155,33.345 S247.1@-92.652,33.345
NetD248_1: D248.1 S248.1 | length 11.3
  Component Side w0.254: D248.1@-118.618,27.9 -118.618,30.805 cw(c-116.078,30.805) -116.078,33.345 S248.1@-111.702,33.345
NetD249_1: D249.1 S249.1 | length 12.5
  Component Side w0.254: D249.1@-137.668,27.9 -137.668,30.805 cw(c-135.128,30.805) -135.128,33.345 S249.1@-130.752,33.345
  Bottom Layer w0.254: S249.1@-130.752,33.345 S249.1@-130.752,34.544
NetD250_1: D250.1 S250.1 | length 11.3
  Component Side w0.254: D250.1@-156.718,27.9 -156.718,30.805 cw(c-154.178,30.805) -154.178,33.345 S250.1@-149.802,33.345
NetD251_1: D251.1 S251.1 | length 11.3
  Component Side w0.254: D251.1@-175.768,27.9 -175.768,30.805 cw(c-173.228,30.805) -173.228,33.345 S251.1@-168.852,33.345
NetD252_1: D252.1 S252.1 | length 11.4
  Component Side w0.254: D252.1@-194.945,27.9 -194.945,30.805 cw(c-192.405,30.805) -192.405,33.345 S252.1@-187.902,33.345
NetD253_1: D253.1 S253.1 | length 11.4
  Component Side w0.254: D253.1@-213.995,27.9 -213.995,30.805 cw(c-211.455,30.805) -211.455,33.345 S253.1@-206.952,33.345
NetD254_1: D254.1 S254.1 | length 13.3
  Component Side w0.254: D254.1@-234.95,27.9 -234.95,30.805 cw(c-232.41,30.805) -232.41,33.345 S254.1@-226.002,33.345
NetD255_1: D255.1 S256.1 | length 27.2
  Component Side w0.254: S256.1@-261.62,33.345 -256.012,33.345 cw(c-256.012,30.805) -254.216,32.601 -253.164,31.549 ccw(c-251.368,33.345) -251.368,30.805 -245.745,30.805 -239.649,30.805 cw(c-239.649,28.265) -237.109,28.265 D255.1@-237.109,27.9
NetD256_1: D256.1 S269.1 | length 5.2
  Component Side w0.254: S269.1@-272.04,30.805 -271.145,30.805 cw(c-271.145,28.265) -268.605,28.265 D256.1@-268.605,27.9
NetD257_1: D257.1 S257.2 | length 9.1
  Component Side w0.254: D257.1@-23.241,10.85 -23.241,11.755 cw(c-20.701,11.755) -20.701,14.295 S257.2@-16.452,14.295
NetD258_1: D258.1 S258.1 | length 6.4
  Component Side w0.254: S258.1@-31.533,11.755 -27.357,11.755 cw(c-27.357,9.215) -25.561,11.011 D258.1@-25.4,10.85
NetD260_1: D260.1 S260.1 S260_1.1 | length 6.1
  Component Side w0.254: S260.1@-55.346,11.755 -51.439,11.755 cw(c-51.439,9.215) -49.643,11.011 D260.1@-49.482,10.85
NetD261_1: D261.1 S261.1 S261_1.1 S261_2.1 | length 59.8
  Component Side w0.254: S261_1.1@-100.589,11.755 -93.788,11.755 ccw(c-93.789,12.009) -93.683,11.778 cw(c-92.493,9.215) -91.303,11.778 ccw(c-91.198,12.009) -91.199,11.755 S261.1@-88.683,11.755 -81.882,11.755 ccw(c-81.883,12.009) -81.777,11.778 cw(c-80.587,9.215) -79.398,11.778 ccw(c-79.292,12.009) -79.293,11.755 S261_2.1@-76.777,11.755 -71.847,11.755 ccw(c-71.847,14.295) -70.051,12.499 -66.784,15.766 cw(c-64.988,13.97) -64.988,16.51 -49.784,16.51 cw(c-49.784,13.97) -47.244,13.97 D261.1@-47.244,10.85
NetD262_1: D262.1 S262.2 S262_1.2 | length 51.2
  Component Side w0.254: D262.1@-171.069,10.85 -170.852,11.067 cw(c-169.056,9.271) -169.056,11.811 -161.924,11.811 ccw(c-161.925,12.065) -161.675,12.021 cw(c-160.121,11.755) -158.715,12.471 ; -159.32,13.114 cw(c-160.121,11.755) -158.559,11.973 ccw(c-158.307,12.009) -158.309,11.755 S262_1.2@-148.121,11.755 ; S262.2@-145.039,14.295 -134.945,14.295 ccw(c-134.947,14.549) -134.695,14.513 cw(c-133.133,14.295) -131.622,14.745 ccw(c-131.379,14.819) -131.38,14.565 -128.738,14.565 cw(c-128.738,14.311) -128.559,14.491 S262.2@-128.363,14.295 -127.837,13.769 cw(c-129.633,11.973) -127.093,11.973 S262.2@-127.093,11.755
  Bottom Layer w0.254: S262_1.2@-148.121,11.755 S262.2@-145.039,14.295 S262.2@-145.039,14.478 ; S262.2@-128.363,14.295 S262.2@-128.363,14.478
NetD263_1: D263.1 S263.2 S263_1.2 | length 25.8
  Component Side w0.254: D263.1@-173.228,10.85 -173.228,11.755 cw(c-170.688,11.755) -170.688,14.295 S263.2@-166.471,14.295
  Bottom Layer w0.254: S263_1.2@-183.139,14.295 S263.2@-166.471,14.295
NetD264_1: D264.1 S264.1 | length 38.2
  Component Side w0.254: D264.1@-237.49,10.85 -237.49,13.97 cw(c-234.95,13.97) -234.95,16.51 -223.683,16.51 cw(c-223.683,13.97) -221.887,15.766 -221.16,15.039 ccw(c-219.364,16.835) -219.364,14.295 S264.1@-204.571,14.295
NetD265_1: D265.1 S265.2 | length 9.4
  Component Side w0.254: D265.1@-235.458,10.85 -235.458,11.755 cw(c-232.918,11.755) -232.918,14.295 S265.2@-228.383,14.295
NetD266_1: D266.1 S266.1 | length 6.2
  Component Side w0.254: S266.1@-267.277,11.755 -263.323,11.755 cw(c-263.323,9.215) -261.527,11.011 D266.1@-261.366,10.85
NetD501_2: D501.2 D502.4 | length 42.7
  Component Side w0.203: D502.4@-10.556,53.935 -10.556,53.101 ccw(c-10.16,53.101) v1(-10.16,52.705)
  Component Side w0.254: D501.2@-12.256,20.065 -12.256,22.324 cw(c-12.037,22.324) v1(-12.192,22.479)
  Bottom Layer w0.203: v1(-10.16,52.705) cw(c-10.16,51.816) -9.271,51.816 -9.271,49.935 cw(c-9.474,49.936) -9.271,49.927 ccw(c-7.721,49.855) -9.186,49.343 ; -9.269,49.749 ccw(c-7.721,49.855) -8.934,48.887 cw(c-9.093,48.761) -8.89,48.762 -8.89,47.117
  Bottom Layer w0.254: v1(-12.192,22.479) cw(c-10.668,22.479) -10.668,24.003 -6.985,24.003 ccw(c-6.985,26.543) -4.445,26.543 -4.445,35.524 ccw(c-6.985,35.524) -5.189,37.32 -8.146,40.277 cw(c-6.35,42.073) -8.89,42.073 -8.89,47.117
NetD501_4: D501.4 D516.2 | length 41.7
  Component Side w0.203: D516.2@-53.158,18.45 -52.76,18.202 -36.091,18.202 cw(c-36.092,17.158) -35.325,17.866 ; -34.459,17.202 cw(c-32.994,20.01) -35.323,17.864 ccw(c-36.092,17.158) -35.325,17.866 ; D501.4@-13.356,17.935 -13.356,17.785 -13.604,17.537 -30.723,17.537 ccw(c-30.723,17.145) -30.788,17.531 cw(c-30.821,17.732) -30.8,17.53 ccw(c-30.679,16.493) -31.251,17.366 ccw(c-30.679,16.493) -31.256,17.363 ccw(c-30.679,16.493) -31.257,17.362 cw(c-32.994,20.01) -31.778,17.086 cw(c-32.994,20.01) -35.325,17.866
NetD502_2: D502.2 D517.4 | length 23.1
  Component Side w0.203: v1(-17.78,44.196) ccw(c-17.756,44.196) -17.756,44.172 D517.4@-16.857,44.172 ; D502.2@-9.456,56.065 -9.398,56.007 v1(-8.382,56.007)
  Bottom Layer w0.203: v1(-17.78,44.196) cw(c-17.78,45.311) -18.895,45.311 -18.895,50.455 cw(c-17.689,50.455) -18.873,50.688 cw(c-18.674,50.648) -18.693,50.85 ccw(c-18.834,52.395) -17.283,52.451 -17.283,53.467 cw(c-14.743,53.467) -14.743,56.007 v1(-8.382,56.007)
NetD503_2: D503.2 D504.4 | length 56.5
  Component Side w0.203: D504.4@-58.441,78.2 v1(-52.356,78.2) ccw(c-52.356,78.232) v1@-52.324,78.232 ; v1(-43.815,82.423) cw(c-43.815,82.042) -43.509,82.269 ccw(c-43.347,82.392) -43.348,82.189 -40.184,82.189 ccw(c-40.185,82.392) -39.993,82.326 cw(c-39.726,82.235) -39.726,82.517 -38.506,82.517 cw(c-38.506,82.235) -38.239,82.325 ccw(c-38.047,82.392) -38.048,82.189 -37.39,82.189 ccw(c-37.391,82.392) -37.199,82.326 cw(c-36.932,82.235) -36.932,82.517 -34.13,82.517 cw(c-34.13,80.01) v1(-31.623,80.01) ; D503.2@-9.456,79.815 cw(c-9.388,79.815) -9.388,79.883 v1(-8.382,79.883)
  Bottom Layer w0.203: v1(-52.356,78.2) cw(c-52.353,78.403) -52.556,78.402 -52.556,79.883 cw(c-50.425,79.883) -50.425,82.014 -45.494,82.014 ccw(c-45.494,82.55) -45.412,82.021 cw(c-45.382,81.82) -45.398,82.022 ccw(c-45.599,84.582) -44.17,82.449 -43.841,82.449 cw(c-43.841,82.423) v1(-43.815,82.423) ; v1(-31.623,80.01) -31.559,79.947 -8.445,79.947 v1(-8.382,79.883)
NetD503_4: D503.4 R306.2 R307.1 | length 4.8
  Component Side w0.254: R307.1@-11.034,74.422 -11.307,74.72 -12.061,75.521 R306.2@-12.334,75.819 -12.334,75.907 cw(c-10.556,75.907) D503.4@-10.556,77.685
NetD504_2: D504.2 D505.4 | length 37.1
  Component Side w0.203: D505.4@-97.374,78.2 cw(c-96.06,76.886) -96.06,78.744 -63.344,78.744 ccw(c-63.344,78.948) -63.303,78.749 -63.17,78.776 cw(c-63.129,78.577) -63.154,78.779 ccw(c-63.387,80.645) -62.595,78.939 ccw(c-63.387,80.645) -62.127,79.249 cw(c-61.992,79.097) -61.993,79.3 D504.2@-60.571,79.3
NetD505_2: D505.2 D506.4 | length 42.4
  Component Side w0.254: D506.4@-141.591,78.2 -141.452,78.2 ccw(c-141.452,78.785) -141.039,78.371 cw(c-139.313,76.646) -139.313,79.086 -100.021,79.086 ccw(c-100.021,79.817) D505.2@-99.504,79.3
NetD506_2: D506.2 D507.4 | length 42.4
  Component Side w0.254: D507.4@-185.808,78.2 -185.481,78.2 ccw(c-185.481,79.176) -184.791,78.486 cw(c-184.228,77.923) -184.228,78.719 -145.17,78.719 ccw(c-145.17,79.808) -144.273,79.19 cw(c-144.064,79.046) -144.063,79.3 D506.2@-143.721,79.3
NetD507_2: D507.2 D508.4 | length 42.6
  Component Side w0.254: D508.4@-230.024,78.2 cw(c-228.771,76.947) -228.771,78.719 -189.428,78.719 ccw(c-189.428,79.947) -189.058,78.776 ccw(c-189.386,79.815) -188.493,79.191 cw(c-188.285,79.046) -188.283,79.3 D507.2@-187.938,79.3 cw(c-189.038,79.3) D507.2@-187.96,79.08
NetD508_2: D508.2 D509.4 | length 43.7
  Component Side w0.203: D509.4@-273.856,79.815 -273.709,79.815 cw(c-272.893,79.815) -272.893,80.63 -270.683,80.63 -269.881,80.63 -261.499,80.63 -254.919,80.63 ccw(c-254.919,80.833) -254.89,80.632 cw(c-254.387,77.16) -253.71,80.603 cw(c-254.387,77.16) -252.307,79.985 ccw(c-252.186,80.149) -252.186,79.946 -238.258,79.946 -235.483,79.946 ; -236.734,79.946 -235.485,79.946 cw(c-235.485,79.39) -235.483,79.946 ; D508.2@-232.154,79.3 -233.93,79.3 cw(c-233.93,79.503) -234.075,79.361 ccw(c-235.464,78.003) -235.464,79.945 cw(c-235.466,80.149) -235.471,79.945 ccw(c-235.485,79.39) -235.483,79.946
NetD509_2: D509.2 D510.4 | length 88.1
  Component Side w0.203: -282.599,67.832 cw(c-280.471,68.783) -282.599,69.734 ; -282.599,67.832 cw(c-282.784,67.749) -282.581,67.748 ; -282.599,67.832 cw(c-280.471,68.783) -282.599,69.734 ; -282.599,67.832 cw(c-282.784,67.749) -282.581,67.748 ; -282.599,69.734 ccw(c-282.784,69.817) -282.581,69.818 ; -282.599,69.734 ccw(c-282.784,69.817) -282.581,69.818 ; -282.581,53.721 ccw(c-280.041,53.721) -280.041,51.181 ; -282.581,53.721 ccw(c-280.041,53.721) -280.041,51.181 ; -282.581,53.721 -282.581,67.748 ; -282.581,53.721 -282.581,67.748 ; -282.581,69.818 -282.581,77.85 ; -282.581,69.818 -282.581,77.85 ; -282.581,77.85 cw(c-280.041,77.85) -280.041,80.39 ; -282.581,77.85 cw(c-280.041,77.85) -280.041,80.39 ; -280.041,51.181 cw(c-280.041,53.721) -280.629,51.25 ccw(c-280.041,53.721) -280.041,51.181 ; -280.041,51.181 -279.761,51.181 ; -280.041,51.181 -279.761,51.181 ; -280.041,80.39 -277.496,80.39 ; -280.041,80.39 -277.496,80.39 ; -279.761,51.181 cw(c-279.761,48.085) -277.689,50.386 ; -279.761,51.181 cw(c-279.761,48.085) -277.689,50.386 ; -277.689,50.386 ccw(c-277.554,50.537) -277.554,50.334 ; -277.689,50.386 ccw(c-277.554,50.537) -277.554,50.334 ; -277.554,50.334 D510.4@-275.899,50.334 ; -277.554,50.334 D510.4@-275.899,50.334 ; -277.496,80.39 cw(c-277.496,77.85) -275.664,79.609 ; -277.496,80.39 cw(c-277.496,77.85) -275.664,79.609 ; D510.4@-275.899,50.334 -276.002,50.437 D510.4@-275.899,50.334 ; -275.664,79.609 cw(c-275.811,79.469) -275.608,79.468 ; -275.664,79.609 cw(c-275.811,79.469) -275.608,79.468 ; -275.608,79.315 ccw(c-275.306,79.315) -275.343,79.016 ; -275.608,79.315 ccw(c-275.306,79.315) -275.343,79.016 ; -275.608,79.315 -275.608,79.468 ; -275.608,79.315 -275.608,79.468 ; -275.343,79.016 cw(c-275.367,78.814) -275.182,78.897 ; -275.343,79.016 cw(c-275.367,78.814) -275.182,78.897 ; -275.182,78.897 cw(c-277.496,77.85) D509.2@-274.956,77.85 ; -275.182,78.897 cw(c-277.496,77.85) D509.2@-274.956,77.85 ; D509.2@-274.956,77.85 D509.2@-274.956,77.685 D509.2@-274.956,77.85